# Altium PCB PCB_DigitalClock_HnitPIF.PcbDoc
Units mm, origin at the board's own origin, x right, y up, seen from the top; angles counter-clockwise.
Board outline 87 x 60.96 mm, 2 copper layers (Top Layer, Bottom Layer); 15 components, 21 nets, 95 pads, 0 vias.
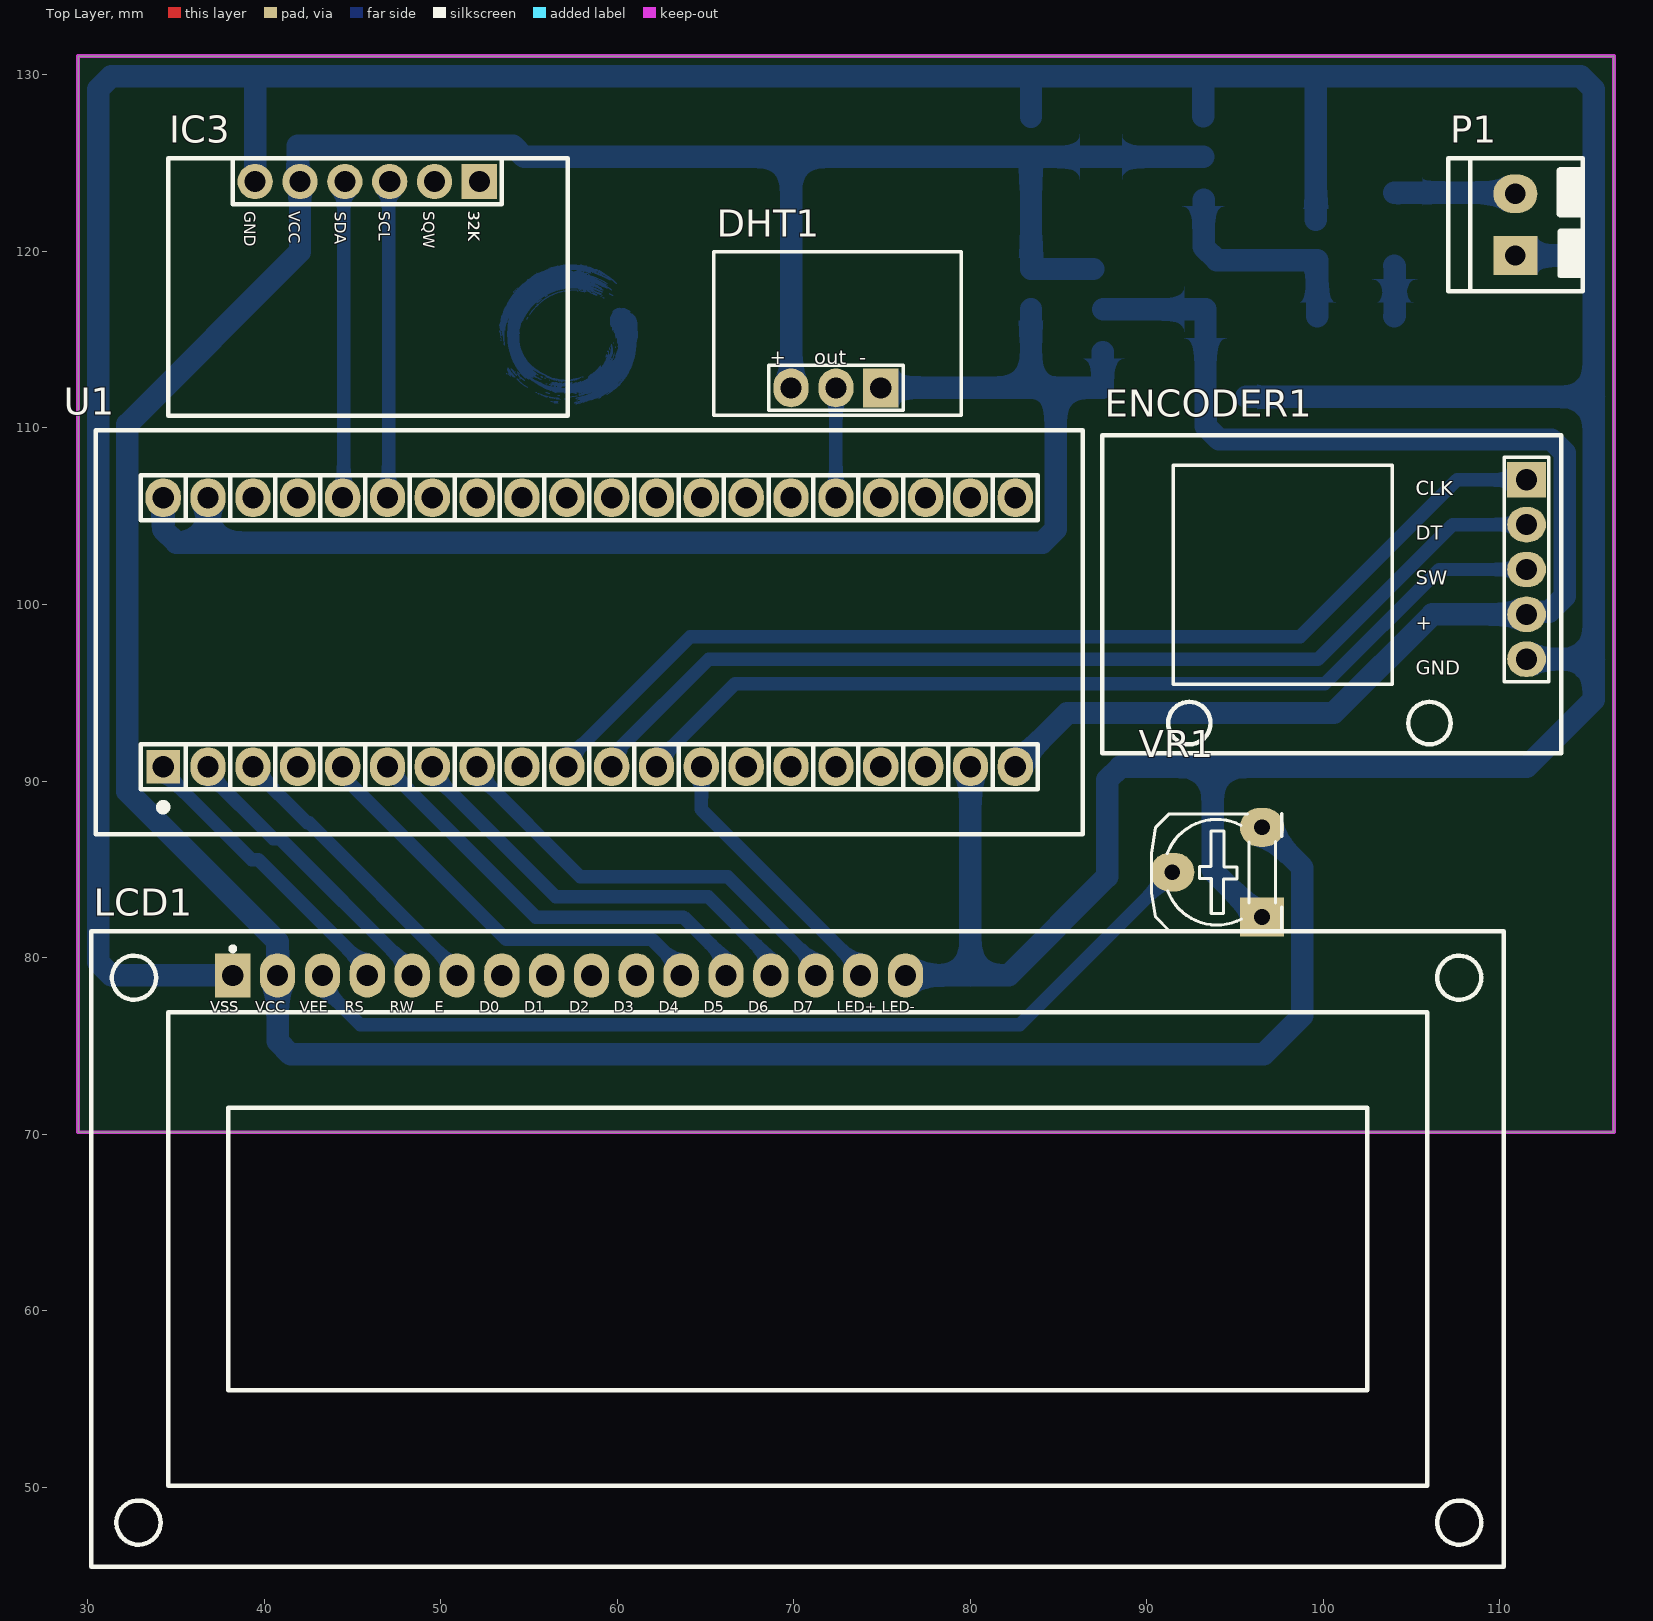
[diagram p0: Top Layer view]
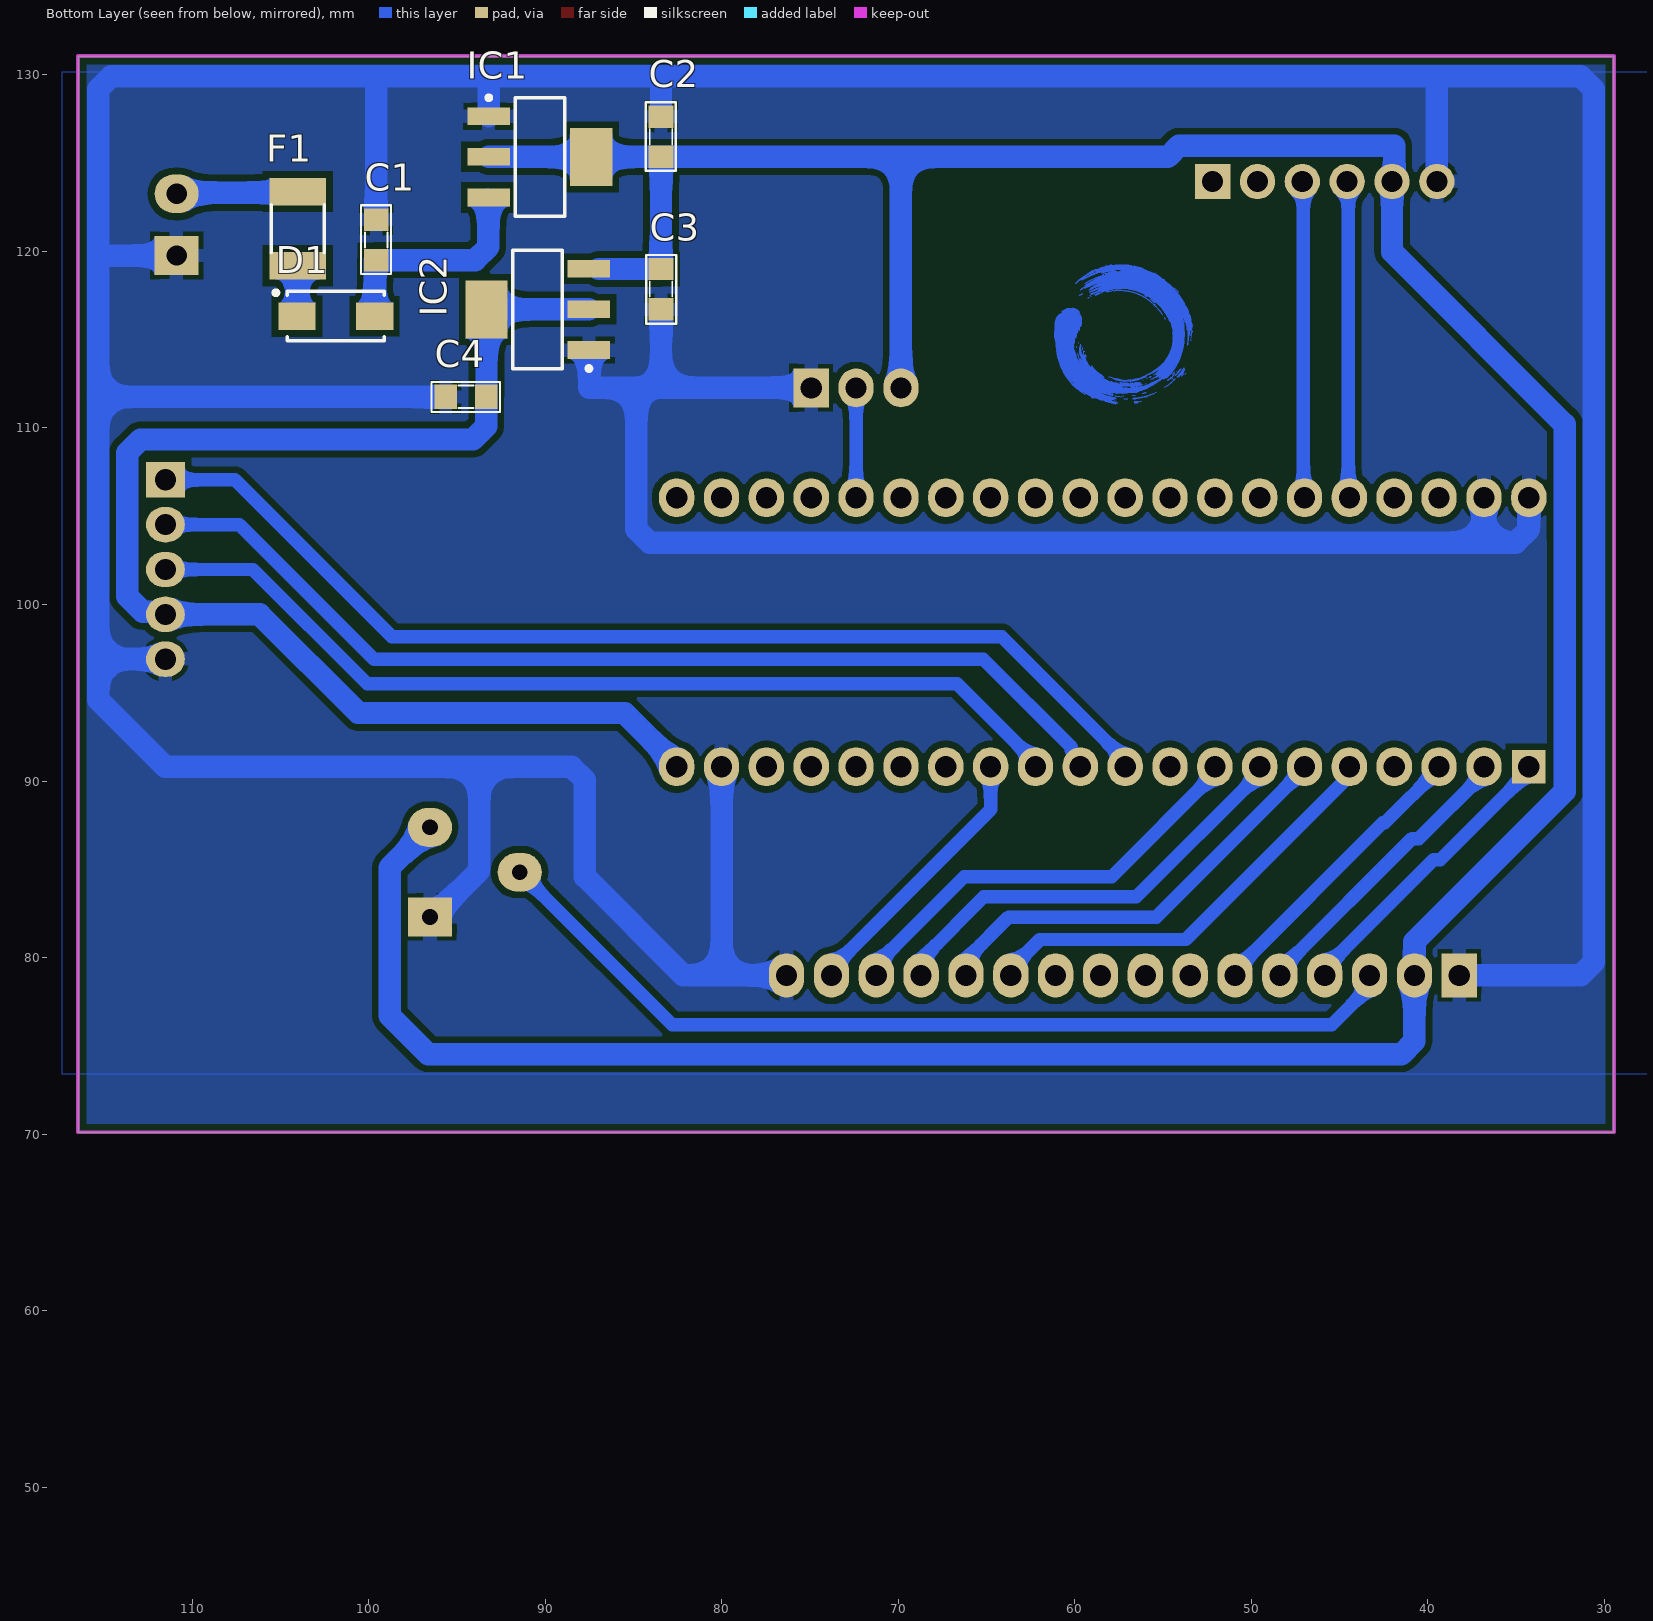
[diagram p1: Bottom Layer view, seen from below]
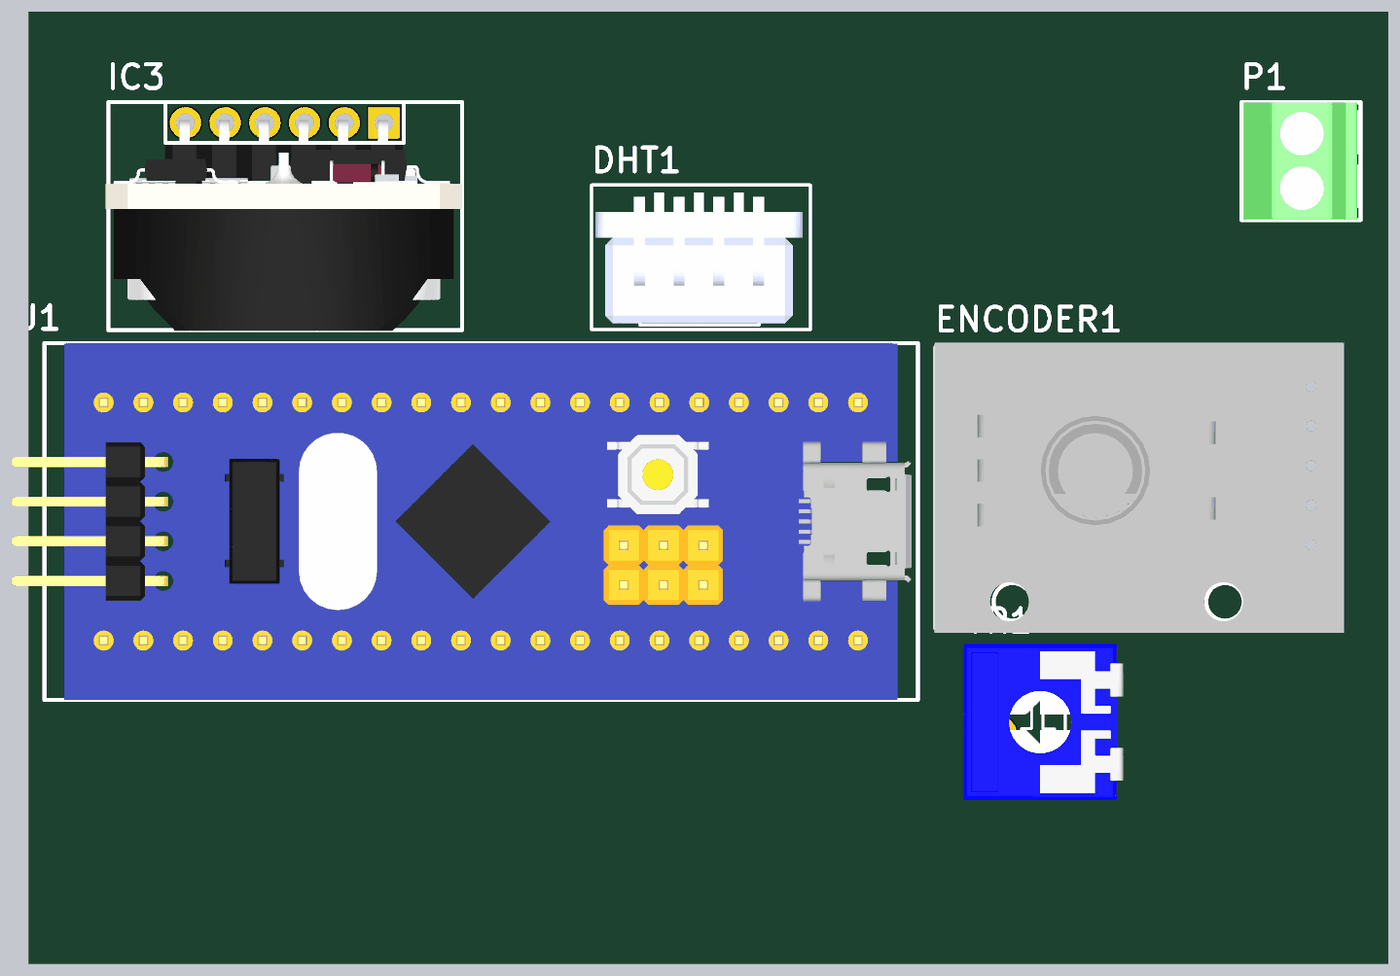
[diagram p2: 3D render of the assembled board from above, using the file's embedded part models]
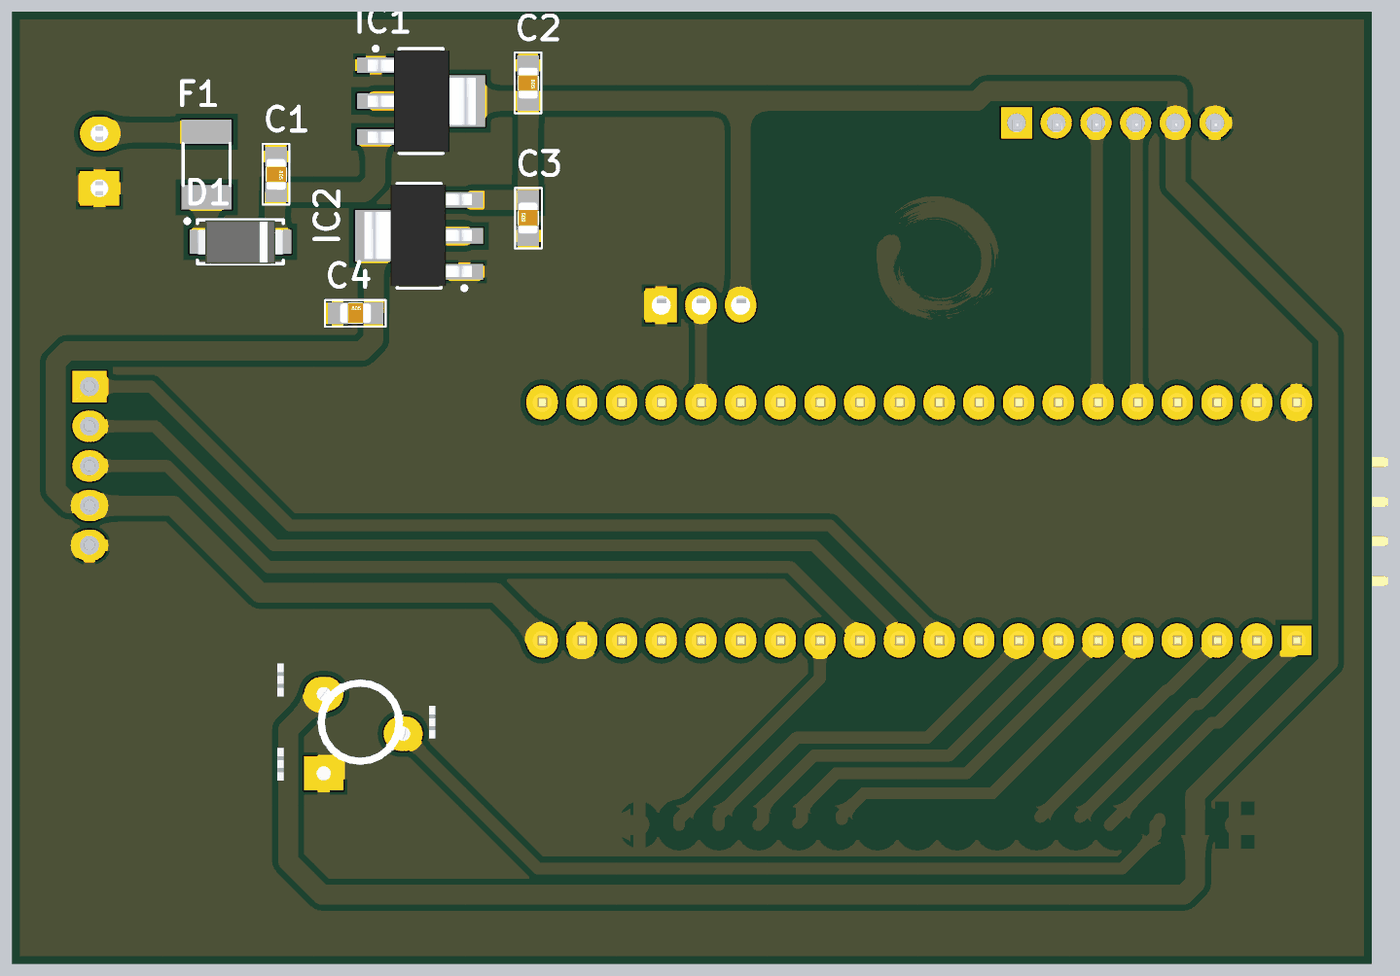
[diagram p3: 3D render of the assembled board from below, using the file's embedded part models]

## Layer stack, top to bottom
Top Solder: solder mask 0.0102, Solder Resist, Dk 3.5
Top Layer: signal copper 0.0356
Dielectric 1: dielectric 0.32, FR-4, Dk 4.8
Bottom Layer: signal copper 0.0356
Bottom Solder: solder mask 0.0102, Solder Resist, Dk 3.5

## Board outline
29.464,70.104 29.464,131.064 116.459,131.064 116.459,70.104

## Design rules (kind name [scope] priority, off if disabled: settings)
Clearance [All] p1: gap=0.381 ignorepadtopadclearanceinfootprint=FALSE
PolygonConnect [All] p1: connectstyle=Relief reliefconductorwidth=0.762 reliefentries=4 polygonreliefangle="90 Angle" airgapwidth=0.254
RoutingVias [All] p1: holewidth=0.8 width=1.5 viastyle="Through Hole" minholewidth=0.8 minwidth=1.5 maxholewidth=0.8 maxwidth=1.5
SolderMaskExpansion [All] p1: expansion=0.102 istentingtop=FALSE
Width [All] p1: maxlimit=1.27 minlimit=0.508 preferedwidth=0.762 minimp=50.000000 maximp=50.000000 favimp=50.000000
30 further rules are at their usual default settings.

## Components (designator, comment, footprint, x,y, rotation, side; value= is the part's Value field where it differs from the comment)
C1 "Cap Non-Pol SMD" CAP-SM-0805 99.568,121.793 r270 bottom value=10uF
C2 "Cap Non-Pol SMD" CAP-SM-0805 83.439,127.635 r270 bottom value=10uF
C3 "Cap Non-Pol SMD" CAP-SM-0805 83.439,116.713 r90 bottom value=10uF
C4 "Cap Non-Pol SMD" CAP-SM-0805 95.631,111.76 r180 bottom value=10uF
D1 "D Schottky" SS34 101.854,116.332 r180 bottom
DHT1 "DHT11" DHT11 74.93,112.268 r270 top
ENCODER1 "ROTARY_ENCODER" ROTARY_ENCODER 111.506,101.981 r0 top
F1 "Fuse" "FUSE SMD" 104.013,121.285 r270 bottom
IC1 "LM1117" SOT223-4N 90.297,125.349 r180 bottom value=LM317
IC2 "LM1117" SOT223-4N 90.424,116.713 r0 bottom value=LM317
IC3 "RTC_Module" DS3231_PINOUT_Module 45.847,105.926 r270 top
LCD1 "LCD1602" LCD1602 70.227,63.494 r0 top
P1 "Domino 2" "DOMINO SMALL 2" 109.601,119.761 r90 top
U1 "Bluepill" STM32F103C8T6_PINOUT_Bluepill 58.42,98.425 r0 top
VR1 "10K" "Varistor 1" 96.52,82.296 r90 top value="VR 10K"

## Footprints (in the part's own frame and the unit in brackets; to place one, negate y for a bottom-side part, rotate by r counter-clockwise, add the part's x,y. Pads: shape width x height; smd on the part's side, far side on the other; paste and mask are expansions set on the pad)
CAP-SM-0805 [mil]
  rect 50x55 smd: 1(0,0) 2(90,0)
  silkscreen extent -32,-34 121,33, body extent 6,-25 84,25, height 31
DHT11 [mm] "Humidity, Temperature Digital ±5% RH Through Hole, 3 pins, pin distance 2.54mm"
  rect 2.2x2 hole 1.2: 1(0,0)
  oval 2.2x2 hole 1.2: 2(0,-2.54) 3(0,-5.08)
  silkscreen extent -7.7,-9.45 1.55,4.55, body extent -7.23,-9.21 1.16,4.05, height 29.75
"DOMINO SMALL 2" [mm] "3.5 mm"
  rect 2.2x2.5 hole 1.143: 1(0,-1.27)
  oval 2.2x2.5 hole 1.143: 2(3.5,-1.27)
  silkscreen extent -2.03,-5.17 5.5,2.54, body extent -2,-4.88 5.5,2.42, height 8.51
DS3231_PINOUT_Module [mm] "RTC MODULE CLK/CALENDAR I2C 16SOIC"
  rect 2x2 hole 1.2: 1(-18.026,6.35)
  round 2 hole 1.2: 2(-18.026,3.81) 3(-18.026,1.27) 4(-18.026,-1.27) 5(-18.026,-3.81) 6(-18.026,-6.35)
  silkscreen extent -19.35,-11.28 -4.75,11.35, body extent -18.23,-11.46 -4.7,11.34, height 40.3
"FUSE SMD" [mm] "SMD FUSE"
  rect 1.55x3.21 smd: 1(-2.1,0) 2(2.1,0)
  silkscreen extent -1.35,-1.5 1.35,1.51, body extent -2.37,-1.71 2.36,1.71, height 0.75
LCD1602 [mm] "LCD1602, or 1602 character-type liquid crystal display, is a kind of dot matrix module to show letters, numbers, and characters and so on. It's composed of 5x7 or 5x11 dot matrix positions; each position can display one character"
  rect 2x2.5 hole 1.2: 1(-32,15.5)
  oval 2x2.5 hole 1.2: 2(-29.46,15.5) 3(-26.92,15.5) 4(-24.38,15.5) 5(-21.84,15.5) 6(-19.3,15.5) 7(-16.76,15.5) 8(-14.22,15.5) 9(-11.68,15.5) 10(-9.14,15.5) 11(-6.6,15.5) 12(-4.06,15.5) 13(-1.52,15.5) 14(1.02,15.5) 15(3.56,15.5) 16(6.1,15.5)
  silkscreen extent -40,-18 40,18, body extent -40,-18 40,18, height 20.56
ROTARY_ENCODER [mm] "Board 0.197\" (5.00mm) Through Hole"
  rect 2.2x2 hole 1.2: 1(0,5.08)
  oval 2.2x2 hole 1.2: 2(0,2.54) 3(0,0) 4(0,-2.54) 5(0,-5.08)
  silkscreen extent -24.02,-10.4 1.98,7.6, body extent -24.09,-10.7 2.11,7.9, height 19.05
SOT223-4N [mm] "SOT223, 4-Leads, Body 6.5x3.5mm, Pitch 2.3mm, Lead Span 7mm, IPC Medium Density"
  rect 2.4x1 smd: 1(-2.9,2.3) 2(-2.9,0) 3(-2.9,-2.3)
  rect 2.4x3.3 smd: 4(2.9,0)
  silkscreen extent -3.03,-3.35 1.4,3.47, body extent -3.39,-3.27 3.5,3.23, height 1.72
SS34 [mm] "DO-214-AC/SMA Molded Diode, Body 5.3x2.6mm, IPC Medium Density"
  rect 2.1x1.55 smd: 1(-2.2,0) 2(2.2,0)
  silkscreen extent -3.53,-1.4 2.75,1.45, body extent -2.75,-1.42 2.75,1.38, height 2.3
STM32F103C8T6_PINOUT_Bluepill [mm] "40 pins, Pin to pin 2.54mm, Pinout type"
  rect 1.9x1.9 hole 1.2: 1(-24.13,-7.62)
  oval 2x2.2 hole 1.2: 2(-21.59,-7.62) 3(-19.05,-7.62) 4(-16.51,-7.62) 5(-13.97,-7.62) 6(-11.43,-7.62) 7(-8.89,-7.62) 8(-6.35,-7.62) 9(-3.81,-7.62) 10(-1.27,-7.62) 11(1.27,-7.62) 12(3.81,-7.62) 13(6.35,-7.62) 14(8.89,-7.62) 15(11.43,-7.62) 16(13.97,-7.62) 17(16.51,-7.62) 18(19.05,-7.62) 19(21.59,-7.62) 20(24.13,-7.62) 21(24.13,7.62) 22(21.59,7.62) 23(19.05,7.62) 24(16.51,7.62) 25(13.97,7.62) 26(11.43,7.62) 27(8.89,7.62) 28(6.35,7.62) 29(3.81,7.62) 30(1.27,7.62) 31(-1.27,7.62) 32(-3.81,7.62) 33(-6.35,7.62) 34(-8.89,7.62) 35(-11.43,7.62) 36(-13.97,7.62) 37(-16.51,7.62) 38(-19.05,7.62) 39(-21.59,7.62) 40(-24.13,7.62)
  silkscreen extent -27.94,-11.43 27.94,11.43, body extent -30.02,-11.43 27.54,11.43, height 12.31
"Varistor 1" [mm] "Resistor Variable"
  rect 2.2x2.5 hole 0.889: 1(0,0)
  oval 2.2x2.5 hole 0.889: 2(2.54,5.08) 3(5.08,0)
  silkscreen extent -0.79,-1.12 5.87,6.25, body extent -1.72,-2.97 8.28,7.23, height 4.2

## Part data
C1 C2 C3 C4: "Capacitor"
D1: "Schottky Diode", Code_JEDEC=DO-214-AA, LatestRevisionDate=17-Jul-2002, LatestRevisionNote="Re-released for DXP Platform.", PackageDescription="DO-214-AA/SMB; 2 C-Bend Leads; Body 5.3 x 3.6 mm, inc. leads (LxW)", PackageReference=SMB, Published=8-Jun-2000, Publisher="Altium Limited"
DHT1: "Temperature Humidity Sensor 16bi / Humidity, Temperature Digital ±5% RH Through Hole", Manufacturer="UNIVERSAL-SOLDER Electronics Ltd", Voltage - Supply="3.5V ~ 5.5V", Accuracy="±5% RH", ComponentLink1Description="Produdct (hshop.vn)", ComponentLink1URL=https://hshop.vn/products/cam-bien-do-am-nhiet-do-dht11-ra-chan, ComponentLink2Description="Product (digikey.com)", ComponentLink2URL=https://www.digikey.com/en/products/detail/universal-solder-electronics-ltd/DHT11/16822119, ComponentLink3Description="Datasheet (UNIVERSAL-SOLDER Electronics Ltd)", ComponentLink3URL=https://universal-solder.ca/downloads/DHT11.pdf, ComponentLink4Description="Datasheet (Adafruit Industries)", ComponentLink4URL=http://www.mediafire.com/download/48g0861d7ch3l34/dht_document.pdf, Mounting Type="Through Hole", Output=16b, Output Type=Digital, Sensor Type="Humidity, Temperature"
ENCODER1: "4 Position Wire to Board Terminal Block Horizontal with Board 0.197\" (5.00mm) Through Hole", Current="15 A", Manufacturer="Amphenol Anytek", Manufacturer Product Number="TERM BLK 4POS SIDE ENTRY 5MM PCB", Operating Temperature="-40°C ~ 115°C", Voltage="300 V", Base Product Number=KY04, ComponentLink1Description="Product (hshop.vn)", ComponentLink1URL=https://hshop.vn/products/mach-volume-xoay-encoder, ComponentLink2Description="Datasheet (Amphenol Anytek)", ComponentLink2URL=https://www.digikey.com/en/htmldatasheets/production/1664187/0/0/1/kyxx01x000j0g-drawing.html?site=US&lang=en&cur=USD, Mating Orientation="Horizontal with Board", Mounting Type="Through Hole", Number of Levels=1, Pitch="0.197\" (5.00mm)", Positions Per Level=4, Series=KY, Wire Gauge="12-24 AWG"
IC1 IC2: "Available in 1.8V, 2.5V, 2.85V, 3.3V, 5V, and  Adjustable Versions"
IC3: library part DS3231, "RTC MODULE CLK/CALENDAR I2C 16SOIC", Current - Timekeeping (Max)="130µA ~ 200µA @ 3.63V ~ 5.5V", Manufacturer="Seeed Technology Co., Ltd", Operating Temperature="-40°C ~ 85°C", Voltage - Supply="2.3V ~ 5.5V", ComponentLink1Description="Datasheet (IC)", ComponentLink1URL=https://www.analog.com/media/en/technical-documentation/data-sheets/DS3231M.pdf, ComponentLink2Description="Datasheet (Module)", ComponentLink2URL=https://datasheets.maximintegrated.com/en/ds/DS3231.pdf, ComponentLink3Description="Product (hshop.vn)", ComponentLink3URL=https://hshop.vn/products/mach-thoi-gian-thuc-rtc-ds3231, Features="Alarm, Leap Year, Square Wave Output", Interface="I²C, 2-Wire Serial", Type=Clock/Calendar
LCD1: "LCD1602, or 1602 character-type liquid crystal display, is a kind of dot matrix module to show letters, numbers, and characters and so on. It's composed of 5x7 or 5x11 dot matrix positions; each position can display one character", BACKLIGHT COLOR=GREEN/BLUE, CHARACTER COLOR=White, DRIVING VOLTAGE="Single power", Operating Temperature=Indoor, BACKLIGHT=LED, CHARACTER SET=ASCII, ComponentLink1Description="Hshop (Green Backlight)", ComponentLink1URL=https://hshop.vn/products/lcd-text-lcd1602-xanh-lo, ComponentLink2Description="Hshop (Blue Backlight)", ComponentLink2URL=https://hshop.vn/products/lcd-text-lcd1602-xanh-duong, ComponentLink3Description=Datasheet, ComponentLink3URL=https://www.waveshare.com/datasheet/LCD_en_PDF/LCD1602.pdf, CONNECTOR="Pin / ZEBRA", DIMENSION="80 * 36 * 12.5", DISPLAY CONSTRUCTION="16 Characters * 2 Lines", DISPLAY MODE=TN/STN, DISPLAY TYPE="Positive Transflective", DRIVER IC="KS0066 (compatible with HD44780)", DRIVING METHOD="1/16 duty,1/5 bias", Interface=Parallel, NUMBER OF DATA LINE="8-bit parallel", Type="COB (Chip On Board)", VIEWING DIRECTION="6 o'clock"
P1: "Domino, 2-Pin", LatestRevisionDate=17-Jul-2002, LatestRevisionNote="Re-released for DXP Platform.", Publisher="Altium Limited"
U1: library part STM32F103C8T6, "STM32F103C8T6, mbed-Enabled Development Bluepill STM32F1 ARM® Cortex®-M3 MCU 32-Bit Embedded Evaluation Board", Manufacturer=STMicroelectronics, Operating Temperature="-40°C ~ 85°C (TA)", Voltage - Supply (Vcc/Vdd)="2V ~ 3.6V", Category=Microcontrollers, ComponentLink1Description=MPU, ComponentLink1URL=https://www.thegioiic.com/stm32f103c8t6, ComponentLink2Description="Kit Bluepill", ComponentLink2URL=https://hshop.vn/products/kit-ra-chon-stm32f103c8t6, ComponentLink3Description=Datasheet, ComponentLink3URL=https://www.st.com/resource/en/datasheet/cd00161566.pdf, Connectivity="CANbus, I²C, IrDA, LINbus, SPI, UART/USART, USB", Core Processor="ARM® Cortex®-M3", Core Size="32-Bit Single-Core", Data Converters="A/D 10x12b", EEPROM Size=-, Number of I/O=37, Oscillator Type=Internal, Peripherals="DMA, Motor Control PWM, PDR, POR, PVD, PWM, Temp Sensor, WDT", Program Memory Size="64KB (64K x 8)", Program Memory Type=FLASH, RAM Size="20K x 8", Series=STM32F1, Speed=72MHz
VR1: library part "Var Resistor", "Var Resistor"

## Nets (pads, with @x,y where several pads share a name; then routed paths per layer and width w, separated by ;. In a path a pad name is that pad's centre, name@x,y a point inside that pad or via, vN(x,y) a via of type N, cw(c..) or ccw(c..) an arc to the next point about the centre after c; other vN are vias at no path point)
3.3V: C4.2 ENCODER1.4 IC2.2 IC2.4 U1.20 | length 76.4
  Bottom Layer w1.27: U1.20 82.55,90.905 85.498,93.853 100.584,93.853 106.172,99.441 ENCODER1.4 111.646,99.581 112.789,99.581 113.665,100.457 113.665,108.6 112.921,109.344 94.089,109.344 93.345,110.088 C4.2@93.345,111.633 ; IC2.2 IC2.4@93.308,116.713 ; C4.2@93.324,111.844 IC2.4
5V: C2.2 C3.2 DHT1.3 IC1.2 IC1.4 IC2.3 IC3.5 LCD1.2 VR1.3 | length 203.6
  Bottom Layer w1.27: DHT1.3 69.85,125.349 ; C2.2@83.439,125.222 C3.2 IC2.3@86.959,118.999 ; IC1.2 IC1.4 C2.2 69.85,125.349 ; VR1.3 98.806,85.09 98.806,76.708 96.62,74.522 41.511,74.522 40.767,75.266 LCD1.2 40.767,80.899 32.258,89.408 32.258,110.207 42.037,119.986 IC3.5 41.91,124.079 41.91,125.984 54.102,125.984 54.737,125.349 69.85,125.349
GND: C1.1 C2.1 C3.1 C4.1 DHT1.1 ENCODER1.5 IC1.1 IC2.1 IC3.6 LCD1.1 LCD1.16 P1.1 U1.19 U1.39 U1.40 VR1.1 | length 376.8
  Bottom Layer w1.27: U1.40 34.29,104.249 35.034,103.505 36.83,103.505 ; U1.39 36.83,103.505 ; LCD1.1 31.351,78.994 30.607,79.738 30.607,129.177 31.351,129.921 39.497,129.921 ; IC3.6 39.497,129.921 ; DHT1.1@74.93,112.284 83.439,112.284 ; LCD1.16@76.327,79.046 LCD1.16 80.01,78.994 ; U1.19 80.01,78.994 ; C3.1 83.439,112.284 ; C2.1 83.439,129.921 ; IC2.1@87.503,114.3 87.503,112.284 84.836,112.284 ; IC1.1 93.197,129.815 93.091,129.921 ; C4.1 115.316,111.76 ; VR1.1 96.37,82.296 93.726,84.94 93.726,90.805 ; C1.1 99.568,129.921 ; P1.1 115.189,119.761 115.316,119.888 ; ENCODER1.5 115.316,96.901 ; 36.83,103.505 84.092,103.505 84.836,104.249 84.836,112.284 ; 39.497,129.921 83.439,129.921 ; 80.01,78.994 82.169,78.994 87.757,84.582 87.757,90.061 88.501,90.805 93.726,90.805 ; 83.439,112.284 84.836,112.284 ; 83.439,129.921 93.091,129.921 ; 93.091,129.921 99.568,129.921 ; 93.726,90.805 111.506,90.805 115.316,94.615 115.316,96.901 ; 99.568,129.921 114.572,129.921 115.316,129.177 115.316,119.888 ; 115.316,96.901 115.316,111.76 ; 115.316,111.76 115.316,119.888
LED+: LCD1.15 U1.13 | length 15.5
  Bottom Layer w0.762: U1.13 64.77,88.392 73.787,79.375 LCD1.15
NetC1_2: C1.2 D1.2 IC1.3 | length 12.6
  Bottom Layer w1.27: IC1.3@93.218,122.914 93.218,120.251 93.962,119.507 99.632,119.507 99.654,119.485 D1.2
NetD1_1: D1.1 F1.2 | length 2.9
  Bottom Layer w1.27: D1.1@104.013,116.332 104.034,116.353 104.034,119.165 F1.2
NetDHT1_2: DHT1.2 U1.25 | length 6.2
  Bottom Layer w0.762: U1.25 DHT1.2
NetENCODER1_1: ENCODER1.1 U1.10 | length 61.3
  Bottom Layer w0.762: U1.10 57.15,91.186 64.135,98.171 98.679,98.171 107.569,107.061 ENCODER1.1
NetENCODER1_2: ENCODER1.2 U1.11 | length 57.9
  Bottom Layer w0.762: U1.11 59.69,91.24 60.192,91.742 60.192,91.91 65.183,96.901 99.695,96.901 107.315,104.521 ENCODER1.2
NetENCODER1_3: ENCODER1.3 U1.12 | length 54.1
  Bottom Layer w0.762: U1.12 62.23,91.059 66.675,95.504 100.076,95.504 106.553,101.981 ENCODER1.3
NetLCD1_3: LCD1.3 VR1.2 | length 53.5
  Bottom Layer w0.762: LCD1.3@43.053,79.125 LCD1.3@43.053,79.375 ; LCD1.3 43.307,78.34 45.447,76.2 82.804,76.2 VR1.2
NetLCD1_4: LCD1.4 U1.1 | length 17
  Bottom Layer w0.762: U1.1 34.859,90.236 34.859,89.982 39.305,85.536 39.685,85.536 LCD1.4@46.228,78.994
NetLCD1_5: LCD1.5 U1.2 | length 16.2
  Bottom Layer w0.762: U1.2 36.83,90.424 40.513,86.741 40.906,86.741 LCD1.5@48.133,79.514
NetLCD1_6: LCD1.6 U1.3 | length 16
  Bottom Layer w0.762: U1.3 39.37,90.705 42.445,87.63 42.557,87.63 LCD1.6@50.673,79.514
NetLCD1_11: LCD1.11 U1.5 | length 24.1
  Bottom Layer w0.762: U1.5 44.45,90.301 44.984,89.767 44.984,89.763 53.721,81.026 61.976,81.026 63.373,79.629 LCD1.11@63.373,79.375
NetLCD1_12: LCD1.12 U1.6 | length 24.5
  Bottom Layer w0.762: U1.6 46.99,90.705 55.399,82.296 63.754,82.296 65.93,80.12 65.93,79.358 LCD1.12@66.167,79.121
NetLCD1_13: LCD1.13 U1.7 | length 24.8
  Bottom Layer w0.762: U1.7 49.53,90.424 56.515,83.439 65.151,83.439 68.422,80.168 68.422,79.279 LCD1.13
NetLCD1_14: LCD1.14 U1.8 | length 24.6
  Bottom Layer w0.762: U1.8 52.07,90.424 57.912,84.582 66.267,84.582 71.247,79.602 LCD1.14
SCL: IC3.3 U1.35 | length 18
  Bottom Layer w0.508: U1.35 U1.35@47.053,106.108 ; IC3.3@47.053,123.888 IC3.3
  Bottom Layer w0.762: U1.35@47.053,106.108 IC3.3@47.053,123.888
SDA: IC3.4 U1.36 | length 18
  Bottom Layer w0.508: U1.36 U1.36@44.514,106.108 ; IC3.4@44.514,123.888 IC3.4
  Bottom Layer w0.762: U1.36@44.514,106.108 IC3.4@44.514,123.888
Vin: F1.1 P1.2 | length 7.2
  Bottom Layer w1.27: F1.1@104.013,123.317 104.019,123.323 110.809,123.323 P1.2 P1.2@111.039,123.429 ; F1.1@104.208,123.317 F1.1@104.236,123.289
pads on no net: IC3.1 IC3.2 LCD1.7 LCD1.8 LCD1.9 LCD1.10 U1.4 U1.9 U1.14 U1.15 U1.16 U1.17 U1.18 U1.21 U1.22 U1.23 U1.24 U1.26 U1.27 U1.28 U1.29 U1.30 U1.31 U1.32 U1.33 U1.34 U1.37 U1.38

## Polygon pours and split planes (outlines as drawn)
GND on Bottom Layer "GND_L02_P002" (solid, remove dead copper, pour order 2): 29.464,70.612 29.464,131.064 116.459,131.064 116.459,70.612
GND on Bottom Layer "GND_L02_P003" (solid, remove dead copper, pour order 3): 29.464,70.104 29.464,131.064 116.459,131.064 116.459,70.104
no net on Bottom Layer "NONET_L02_P000" (solid, remove dead copper, shelved, pour order 0): 26.416,73.406 117.348,73.406 117.348,130.175 26.416,130.175

## Keep-outs
Keep-Out Layer:
  the board outline again, w0.2

## Other copper
Bottom Layer:
  drawing of 76 lines, arcs and shapes, not listed

## Text inside footprints (layer, text, board x,y; h text height)
DHT1: Top Overlay "-" at 73.71,113.598 h0.8; Top Overlay "out" at 71.17,113.598 h0.8; Top Overlay "-" at 73.71,113.598 h0.8; Top Overlay "+" at 68.63,113.598 h0.8
ENCODER1: Top Overlay "DT" at 105.219,103.654 h0.8; Top Overlay "CLK" at 105.219,106.194 h0.8; Top Overlay "GND" at 105.219,96.034 h0.8; Top Overlay "CLK" at 105.219,106.194 h0.8; Top Overlay "SW" at 105.219,101.114 h0.8; Top Overlay "+" at 105.219,98.574 h0.8
IC3: Top Overlay "GND" at 38.867,122.284 h0.65 r270; Top Overlay "SCL" at 46.487,122.284 h0.65 r270; Top Overlay "32K" at 51.567,122.309 h0.65 r270; Top Overlay "SQW" at 49.027,122.284 h0.65 r270; Top Overlay "SDA" at 43.998,122.233 h0.65 r270; Top Overlay "32K" at 51.567,122.284 h0.65 r270; Top Overlay "VCC" at 41.407,122.284 h0.65 r270
LCD1: Top Overlay "LED-" at 74.973,76.94 h0.6; Top Overlay "VSS" at 36.957,76.94 h0.6; Top Overlay "E" at 49.657,76.94 h0.6; Top Overlay "RW" at 47.117,76.94 h0.6; Top Overlay "D0" at 52.197,76.94 h0.6; Top Overlay "D5" at 64.897,76.94 h0.6; Top Overlay "LED+" at 72.433,76.94 h0.6; Top Overlay "D6" at 67.437,76.94 h0.6; Top Overlay "D4" at 62.357,76.94 h0.6; Top Overlay "VCC" at 39.497,76.94 h0.6; Top Overlay "D1" at 54.737,76.94 h0.6; Top Overlay "VSS" at 36.957,76.94 h0.6; Top Overlay "RS" at 44.577,76.94 h0.6; Top Overlay "D7" at 69.977,76.94 h0.6; Top Overlay "D2" at 57.277,76.94 h0.6; Top Overlay "D3" at 59.817,76.94 h0.6; Top Overlay "VEE" at 42.037,76.94 h0.6